# Altium PCB keyboard.PcbDoc (part 2 of 3)
Units mil, origin at the board's own origin, x right, y up, seen from the top; angles counter-clockwise.
Board outline 13687.52 x 5395.09 mil, 2 copper layers (Top Layer, Bottom Layer), stack 61.89 mil thick; 91 components, 118 nets, 875 pads, 1755 vias.
Unrouted connection lines stored in the file: 101.
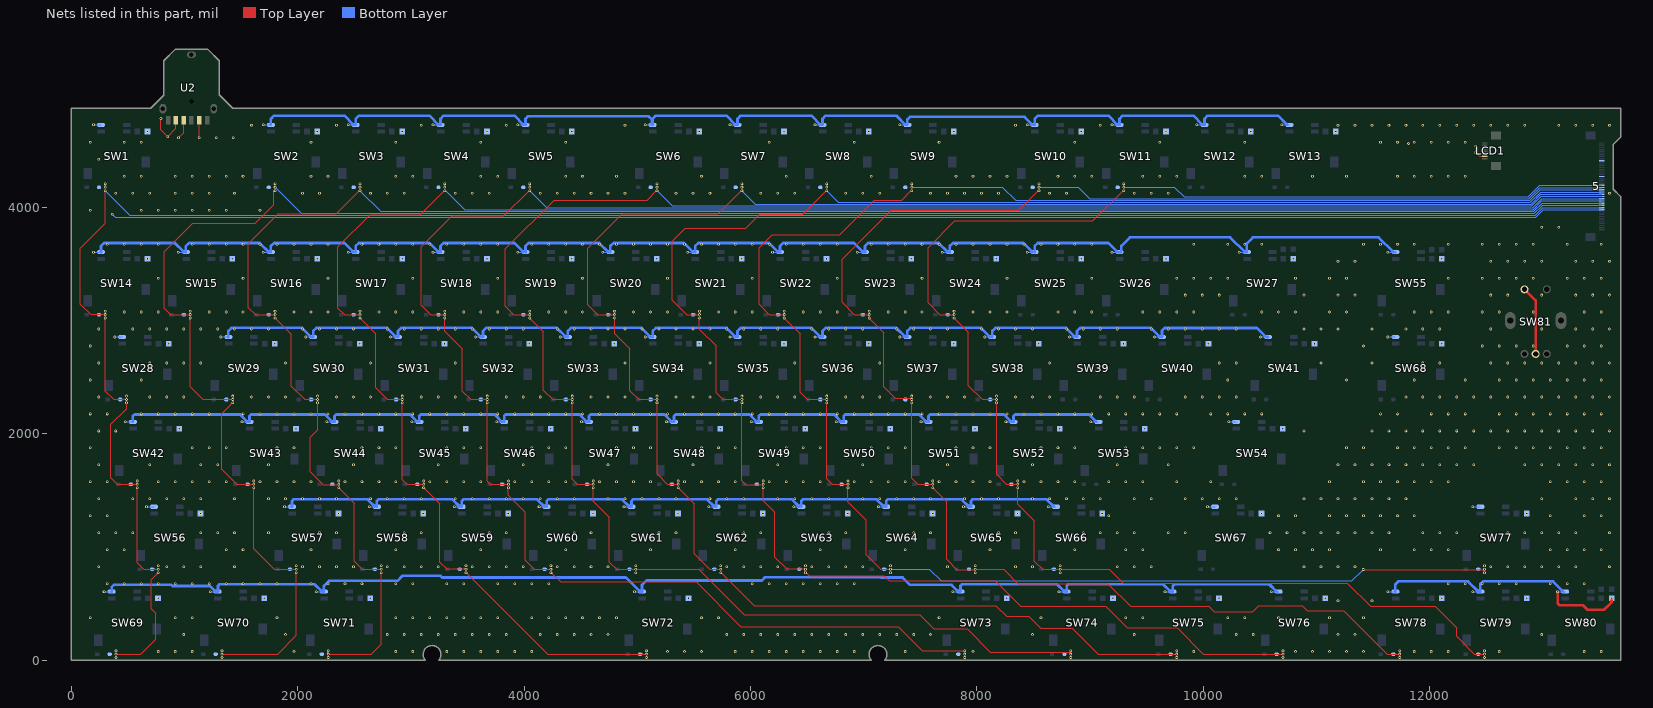
[diagram p2: the nets of this part, all layers, seen from the top]

## Via types
v1: diameter 24, hole 12, Top Layer to Bottom Layer, tented both sides, 1755 vias

## Nets (pads, with @x,y where several pads share a name; then routed paths per layer and width w, separated by ;. In a path a pad name is that pad's centre, name@x,y a point inside that pad or via, vN(x,y) a via of type N, cw(c..) or ccw(c..) an arc to the next point about the centre after c; other vN are vias at no path point) (continued)
GND: 5.10 5.25 5.32 LCD1.2 SW1.5 SW2.5 SW3.5 SW4.5 SW5.5 SW6.5 SW7.5 SW8.5 SW9.5 SW10.5 SW11.5 SW12.5 SW13.5 SW14.5 SW15.5 SW16.5 SW17.5 SW18.5 SW19.5 SW20.5 SW21.5 SW22.5 SW23.5 SW24.5 SW25.5 SW26.5 SW27.5 SW28.5 SW29.5 SW30.5 SW31.5 SW32.5 SW33.5 SW34.5 SW35.5 SW36.5 SW37.5 SW38.5 SW39.5 SW40.5 SW41.5 SW42.5 SW43.5 SW44.5 SW45.5 SW46.5 SW47.5 SW48.5 SW49.5 SW50.5 SW51.5 SW52.5 SW53.5 SW54.5 SW55.5 SW56.5 SW57.5 SW58.5 SW59.5 SW60.5 SW61.5 SW62.5 SW63.5 SW64.5 SW65.5 SW66.5 SW67.5 SW68.5 SW69.5 SW70.5 SW71.5 SW72.5 SW73.5 SW74.5 SW75.5 SW76.5 SW77.5 SW78.5 SW79.5 SW80.5 SW81.1 SW81.C U2.2 U2.4 U2.5 | length 77364.4
  Top Layer w6: v1(790,4785) 790,4685 v1(850,4625) ; v1@855,4630 922.21,4697.21 U2.5@922.21,4769.64 ; v1(945,4615) 991.1,4661.1 U2.4@991.1,4769.64 ; U2.2@1128.9,4769.64 1128.9,4616.1 v1(1130,4615) ; v1(12408.76,4540.01) v1(12408.76,4485.01) 12443.13,4450.64 LCD1.2@12487.95,4450.64
  Top Layer w24: SW81.1@12839.06,3275.62 12937.48,3177.2 SW81.C@12937.48,2704.76 ; v1(13131.73,604.58) 13133.76,602.56 13133.76,499.07 13147.82,485.01 13353.76,485.01 13393.76,445.01 13543.76,445.01 13608.76,510.01 v1(13608.76,544.9)
  Bottom Layer w6: v1(359.57,3939.2) 387.76,3911.01 12939.1,3911.01 13006.28,3978.2 5.10@13521.26,3978.2
  Bottom Layer w24: SW14.5@260.8,3604.56 260.8,3657.07 288.76,3685.03 912.61,3685.03 SW15.5@993.08,3604.56 ; SW69.5@354.55,604.58 354.55,645.8 373.76,665.01 881.28,665.01 891.92,654.38 1224.51,654.38 1274.3,604.58 SW70.5@1292.02,604.58 1293.76,606.32 1293.76,655.95 1307.82,670.01 2146.4,670.01 2211.83,604.58 SW71.5@2229.55,604.58 2229.55,655.8 2273.76,700.01 2878.76,700.01 2923.76,745.01 3258.76,745.01 3273.76,730.01 4898.88,730.01 5024.31,604.58 SW72.5@5042.02,604.58 5042.02,664.69 5081.04,703.7 6101.6,703.7 6129.95,732.05 7150.51,732.05 7152.81,729.75 7344.02,729.75 7408.76,665.01 7776.4,665.01 7835.09,606.32 7856.28,606.32 7856.28,655.95 7870.34,670.01 8708.93,670.01 SW74.5@8774.36,604.58 ; SW42.5@542.02,2104.56 542.02,2155.95 556.08,2170.01 1490.12,2170.01 1555.58,2104.56 SW43.5@1573.3,2104.56 1573.3,2155.95 1587.36,2170.01 2240.12,2170.01 SW44.5@2305.58,2104.56 ; SW15.5@1010.8,3604.56 1010.8,3657.07 1038.76,3685.03 1662.61,3685.03 SW16.5@1743.08,3604.56 ; SW29.5@1385.8,2854.56 1385.8,2907.07 1413.76,2935.03 2037.61,2935.03 SW30.5@2118.08,2854.56 ; SW16.5@1760.8,3604.56 1760.8,3657.07 1788.76,3685.03 2412.61,3685.03 SW17.5@2493.08,3604.56 ; SW2.5@1760.8,4729.54 1760.8,4782.05 1788.76,4810.01 2412.61,4810.01 2493.08,4729.54 SW3.5@2510.8,4729.54 2510.8,4782.05 2538.76,4810.01 3162.61,4810.01 SW4.5@3243.08,4729.54 ; SW57.5@1948.3,1354.56 1948.3,1405.95 1962.36,1420.01 2615.12,1420.01 SW58.5@2680.58,1354.56 ; SW30.5@2135.8,2854.56 2135.8,2907.07 2163.76,2935.03 2787.61,2935.03 SW31.5@2868.08,2854.56 ; SW44.5@2323.3,2104.56 2323.3,2155.95 2337.36,2170.01 2990.12,2170.01 SW45.5@3055.58,2104.56 ; SW17.5@2510.8,3604.56 2510.8,3657.07 2538.76,3685.03 3162.61,3685.03 SW18.5@3243.08,3604.56 ; SW58.5@2698.3,1354.56 2698.3,1405.95 2712.36,1420.01 3365.12,1420.01 SW59.5@3430.58,1354.56 ; SW31.5@2885.8,2854.56 2885.8,2907.07 2913.76,2935.03 3537.61,2935.03 SW32.5@3618.08,2854.56 ; SW45.5@3073.3,2104.56 3073.3,2155.95 3087.36,2170.01 3740.12,2170.01 SW46.5@3805.58,2104.56 ; SW18.5@3260.8,3604.56 3260.8,3657.07 3288.76,3685.03 3912.61,3685.03 SW19.5@3993.08,3604.56 ; SW4.5@3260.8,4729.54 3260.8,4782.05 3288.76,4810.01 3912.61,4810.01 SW5.5@3993.08,4729.54 ; SW59.5@3448.3,1354.56 3448.3,1405.95 3462.36,1420.01 4115.12,1420.01 SW60.5@4180.58,1354.56 ; SW32.5@3635.8,2854.56 3635.8,2907.07 3663.76,2935.03 4287.61,2935.03 SW33.5@4368.08,2854.56 ; SW46.5@3823.31,2104.56 3823.31,2155.95 3837.37,2170.01 4490.13,2170.01 SW47.5@4555.59,2104.56 ; SW19.5@4010.77,3604.56 4010.77,3657.07 4038.73,3685.03 4662.58,3685.03 SW20.5@4743.05,3604.56 ; SW5.5@4010.77,4729.54 4010.77,4782.02 4033.76,4805.01 5098.76,4805.01 5128.76,4775.01 5128.76,4735.26 SW6.5@5134.47,4729.54 ; SW60.5@4198.3,1354.56 4198.3,1405.95 4212.36,1420.01 4865.13,1420.01 SW61.5@4930.59,1354.56 ; SW33.5@4385.8,2854.56 4385.8,2907.07 4413.76,2935.03 5037.61,2935.03 SW34.5@5118.09,2854.56 ; SW47.5@4573.3,2104.56 4573.3,2155.95 4587.36,2170.01 5240.13,2170.01 SW48.5@5305.59,2104.56 ; SW20.5@4760.76,3604.56 4760.76,3657.07 4788.72,3685.03 5412.58,3685.03 SW21.5@5493.05,3604.56 ; SW61.5@4948.3,1354.56 4948.3,1405.95 4962.36,1420.01 5615.13,1420.01 SW62.5@5680.59,1354.56 ; SW34.5@5135.8,2854.56 5135.8,2907.07 5163.76,2935.03 5787.61,2935.03 SW35.5@5868.09,2854.56 ; SW6.5@5135.8,4729.54 SW6.5@5134.47,4729.54 ; SW48.5@5323.3,2104.56 5323.3,2155.95 5337.36,2170.01 5990.13,2170.01 SW49.5@6055.59,2104.56 ; SW21.5@5510.8,3604.56 5510.8,3657.07 5538.76,3685.03 6162.61,3685.03 SW22.5@6243.09,3604.56 ; SW62.5@5698.3,1354.56 5698.3,1405.95 5712.36,1420.01 6365.13,1420.01 SW63.5@6430.59,1354.56 ; SW7.5@5866.76,4729.54 5786.29,4810.01 5162.44,4810.01 5134.47,4782.05 SW6.5@5134.47,4729.54 ; SW35.5@5885.8,2854.56 5885.8,2907.07 5913.76,2935.03 6537.61,2935.03 SW36.5@6618.09,2854.56 ; SW7.5@5885.8,4729.54 5885.8,4782.05 5913.76,4810.01 6537.61,4810.01 SW8.5@6618.09,4729.54 ; SW49.5@6073.3,2104.56 6073.3,2155.95 6087.36,2170.01 6740.13,2170.01 SW50.5@6805.59,2104.56 ; SW22.5@6260.8,3604.56 6260.8,3657.07 6288.76,3685.03 6912.61,3685.03 SW23.5@6993.09,3604.56 ; SW63.5@6448.3,1354.56 6448.3,1405.95 6462.36,1420.01 7115.13,1420.01 SW64.5@7180.59,1354.56 ; SW36.5@6635.8,2854.56 6635.8,2907.07 6663.76,2935.03 7287.61,2935.03 SW37.5@7368.09,2854.56 ; SW8.5@6635.8,4729.54 6635.8,4782.05 6663.76,4810.01 7287.61,4810.01 SW9.5@7368.09,4729.54 ; SW50.5@6823.3,2104.56 6823.3,2155.95 6837.36,2170.01 7490.13,2170.01 SW51.5@7555.59,2104.56 ; SW23.5@7010.8,3604.56 7010.8,3657.07 7038.76,3685.03 7662.61,3685.03 SW24.5@7743.09,3604.56 ; SW64.5@7198.3,1354.56 7198.3,1405.95 7212.36,1420.01 7865.13,1420.01 SW65.5@7930.59,1354.56 ; SW37.5@7385.8,2854.56 7385.8,2907.07 7413.76,2935.03 8037.61,2935.03 SW38.5@8118.09,2854.56 ; SW9.5@7385.8,4729.54 7385.8,4777.06 7408.76,4800.01 8422.61,4800.01 8493.09,4729.54 SW10.5@8510.8,4729.54 8510.8,4782.05 8538.76,4810.01 9162.61,4810.01 SW11.5@9243.09,4729.54 ; SW51.5@7573.3,2104.56 7573.3,2155.95 7587.36,2170.01 8240.13,2170.01 SW52.5@8305.59,2104.56 ; SW24.5@7760.8,3604.56 7760.8,3657.07 7788.76,3685.03 8412.61,3685.03 SW25.5@8493.09,3604.56 ; SW65.5@7948.3,1354.56 7948.3,1405.95 7962.36,1420.01 8615.13,1420.01 SW66.5@8680.59,1354.56 ; SW38.5@8135.8,2854.56 8135.8,2907.07 8163.76,2935.03 8787.61,2935.03 SW39.5@8868.09,2854.56 ; SW52.5@8323.3,2104.56 8323.3,2155.95 8337.36,2170.01 8990.13,2170.01 SW53.5@9055.59,2104.56 ; SW25.5@8510.8,3604.56 8510.8,3657.07 8538.76,3685.03 9162.61,3685.03 SW26.5@9243.09,3604.56 ; SW74.5@8793.76,606.32 8793.76,655.95 8807.82,670.01 9646.41,670.01 SW75.5@9711.84,604.58 ; SW39.5@8885.8,2854.56 8885.8,2907.07 8913.76,2935.03 9537.61,2935.03 SW40.5@9618.09,2854.56 ; SW26.5@9260.8,3604.56 9271.3,3604.56 9277.02,3610.27 9277.02,3658.27 9353.76,3735.01 10237.63,3735.01 10368.09,3604.56 SW27.5@10368.76,3604.56 ; SW11.5@9260.8,4729.54 9260.8,4782.05 9288.76,4810.01 9912.61,4810.01 SW12.5@9993.09,4729.54 ; SW40.5@9635.8,2854.56 9635.8,2912.06 9658.76,2935.01 10475.13,2935.01 10555.59,2854.56 SW41.5@10573.3,2854.56 ; SW75.5@9731.28,606.32 9731.28,655.95 9745.34,670.01 10583.93,670.01 SW76.5@10649.36,604.58 ; SW12.5@10010.8,4729.54 10010.8,4782.05 10038.76,4810.01 10662.61,4810.01 SW13.5@10743.09,4729.54 ; SW27.5@10385.8,3604.56 10385.8,3682.06 10438.82,3735.07 11550.07,3735.07 11680.59,3604.56 SW55.5@11698.3,3604.56 ; SW78.5@11698.3,604.58 11698.3,669.56 11723.76,695.01 12340.16,695.01 12430.59,604.58 SW79.5@12448.3,604.58 12448.3,669.56 12473.76,695.01 13090.16,695.01 SW80.5@13180.59,604.58
  other v1: 766.26,74.85 916.26,74.85 1066.26,74.85 1966.26,74.85 2866.26,74.85 3016.26,74.85 3316.26,74.85 3466.26,74.85 3616.26,74.85 3766.26,74.85 3916.26,74.85 4066.26,74.85 5266.26,74.85 5416.26,74.85 5566.26,74.85 5866.26,74.85 6016.26,74.85 6166.26,74.85 6316.26,74.85 6466.26,74.85 6616.26,74.85 6766.26,74.85 6916.26,74.85 7366.26,74.85 7966.26,74.85 9916.26,74.85 10816.26,74.85 10966.26,74.85 11116.26,74.85 11266.26,74.85 11416.26,74.85 11866.26,74.85 12016.26,74.85 12166.26,74.85 12616.26,74.85 13366.26,74.85 13516.26,74.85 991.26,224.85 1891.26,224.85 2791.26,224.85 2941.26,224.85 3091.26,224.85 3241.26,224.85 3391.26,224.85 3541.26,224.85 3691.26,224.85 3841.26,224.85 4141.26,224.85 4291.26,224.85 4441.26,224.85 4591.26,224.85 4741.26,224.85 5791.26,224.85 5941.26,224.85 6091.26,224.85 6241.26,224.85 6391.26,224.85 6541.26,224.85 6691.26,224.85 6841.26,224.85 6991.26,224.85 7141.26,224.85 7291.26,224.85 7441.26,224.85 7591.26,224.85 8491.26,224.85 9391.26,224.85 10291.26,224.85 10441.26,224.85 11191.26,224.85 11341.26,224.85 12991.26,224.85 166.26,374.85 916.26,374.85 1066.26,374.85 1816.26,374.85 2866.26,374.85 3016.26,374.85 3166.26,374.85 3316.26,374.85 3466.26,374.85 3616.26,374.85 3766.26,374.85 4066.26,374.85 4216.26,374.85 4366.26,374.85 4516.26,374.85 4666.26,374.85 4816.26,374.85 5566.26,374.85 5716.26,374.85 7666.26,374.85 8566.26,374.85 9316.26,374.85 9466.26,374.85 10216.26,374.85 10366.26,374.85 10666.26,374.85 11116.26,374.85 11416.26,374.85 11191.26,524.85 11491.26,524.85 765.01,544.9 1702.48,544.9 2640.01,544.9 5452.48,544.9 8265,544.9 9202.48,544.9 10140,544.9 11077.48,544.9 12108.76,544.9 12858.76,544.9 287.98,604.58 1225.45,604.58 2162.98,604.58 4975.45,604.58 7787.97,604.58 8725.45,604.58 9662.97,604.58 10600.45,604.58 11631.73,604.58 12381.73,604.58 316.26,674.85 466.26,674.85 616.26,674.85 766.26,674.85 916.26,674.85 1066.26,674.85 1216.26,674.85 1366.26,674.85 1516.26,674.85 1666.26,674.85 1816.26,674.85 2116.26,674.85 2266.26,674.85 2416.26,674.85 2566.26,674.85 2866.26,674.85 3016.26,674.85 3316.26,674.85 3466.26,674.85 3766.26,674.85 3916.26,674.85 4066.26,674.85 4216.26,674.85 6016.26,674.85 6166.26,674.85 6316.26,674.85 6466.26,674.85 6616.26,674.85 6766.26,674.85 6916.26,674.85 12166.26,674.85 12316.26,674.85 12466.26,674.85 12616.26,674.85 12766.26,674.85 13066.26,674.85 13216.26,674.85 13366.26,674.85 241.26,824.85 841.26,824.85 991.26,824.85 1141.26,824.85 1441.26,824.85 2041.26,824.85 2191.26,824.85 2341.26,824.85 2491.26,824.85 2791.26,824.85 2941.26,824.85 3091.26,824.85 3241.26,824.85 3541.26,824.85 3691.26,824.85 3841.26,824.85 3991.26,824.85 4291.26,824.85 4441.26,824.85 4591.26,824.85 4741.26,824.85 5791.26,824.85 5941.26,824.85 6091.26,824.85 6241.26,824.85 6541.26,824.85 6691.26,824.85 6841.26,824.85 6991.26,824.85 7741.26,824.85 8341.26,824.85 8491.26,824.85 9241.26,824.85 9391.26,824.85 9541.26,824.85 10891.26,824.85 11041.26,824.85 11191.26,824.85 11341.26,824.85 12541.26,824.85 12691.26,824.85 12841.26,824.85 12991.26,824.85 13141.26,824.85 13291.26,824.85 13591.26,824.85 316.26,974.85 466.26,974.85 1366.26,974.85 1516.26,974.85 2116.26,974.85 2866.26,974.85 3616.26,974.85 4366.26,974.85 5116.26,974.85 5866.26,974.85 6616.26,974.85 7366.26,974.85 8116.26,974.85 8866.26,974.85 9316.26,974.85 9466.26,974.85 10666.26,974.85 10816.26,974.85 10966.26,974.85 11116.26,974.85 11566.26,974.85 11866.26,974.85 12016.26,974.85 12166.26,974.85 13066.26,974.85 13216.26,974.85 13366.26,974.85 13516.26,974.85 241.26,1124.85 391.26,1124.85 541.26,1124.85 1141.26,1124.85 1291.26,1124.85 1441.26,1124.85 1741.26,1124.85 2191.26,1124.85 2341.26,1124.85 2941.26,1124.85 3091.26,1124.85 3691.26,1124.85 3841.26,1124.85 4441.26,1124.85 4591.26,1124.85 5191.26,1124.85 5341.26,1124.85 5941.26,1124.85 6091.26,1124.85 6691.26,1124.85 6841.26,1124.85 7441.26,1124.85 7591.26,1124.85 8191.26,1124.85 8341.26,1124.85 8941.26,1124.85 9091.26,1124.85 9241.26,1124.85 9391.26,1124.85 9691.26,1124.85 9841.26,1124.85 10591.26,1124.85 10741.26,1124.85 10891.26,1124.85 11041.26,1124.85 11191.26,1124.85 11341.26,1124.85 11491.26,1124.85 11641.26,1124.85 11941.26,1124.85 12091.26,1124.85 12241.26,1124.85 12691.26,1124.85 12841.26,1124.85 12991.26,1124.85 13141.26,1124.85 13291.26,1124.85 13591.26,1124.85 166.26,1274.85 316.26,1274.85 9166.26,1274.85 10666.26,1274.85 10816.26,1274.85 11116.26,1274.85 11266.26,1274.85 11416.26,1274.85 11566.26,1274.85 11716.26,1274.85 11866.26,1274.85 13066.26,1274.85 13366.26,1274.85 13516.26,1274.85 1140.01,1294.87 2358.75,1294.87 3108.75,1294.87 3858.75,1294.87 4608.76,1294.87 5358.76,1294.87 6108.76,1294.87 6858.76,1294.87 7608.76,1294.87 8358.76,1294.87 9108.76,1294.87 10514.98,1294.87 12858.76,1294.87 662.98,1354.56 1881.73,1354.56 2631.73,1354.56 3381.73,1354.56 4131.73,1354.56 4881.73,1354.56 5631.73,1354.56 6381.73,1354.56 7131.73,1354.56 7881.73,1354.56 8631.73,1354.56 10037.95,1354.56 12381.73,1354.56 241.26,1424.85 541.26,1424.85 691.26,1424.85 841.26,1424.85 991.26,1424.85 1141.26,1424.85 1441.26,1424.85 1741.26,1424.85 1891.26,1424.85 2041.26,1424.85 2191.26,1424.85 2341.26,1424.85 2641.26,1424.85 2791.26,1424.85 2941.26,1424.85 3091.26,1424.85 3391.26,1424.85 3541.26,1424.85 3691.26,1424.85 3841.26,1424.85 3991.26,1424.85 4141.26,1424.85 4291.26,1424.85 4441.26,1424.85 4741.26,1424.85 4891.26,1424.85 5041.26,1424.85 5191.26,1424.85 5341.26,1424.85 5641.26,1424.85 5791.26,1424.85 5941.26,1424.85 6241.26,1424.85 6391.26,1424.85 6541.26,1424.85 6691.26,1424.85 6991.26,1424.85 7141.26,1424.85 7291.26,1424.85 7441.26,1424.85 7591.26,1424.85 7891.26,1424.85 8041.26,1424.85 8191.26,1424.85 8491.26,1424.85 8641.26,1424.85 8791.26,1424.85 8941.26,1424.85 9091.26,1424.85 9391.26,1424.85 9541.26,1424.85 9841.26,1424.85 9991.26,1424.85 10141.26,1424.85 10291.26,1424.85 10891.26,1424.85 11041.26,1424.85 11191.26,1424.85 11341.26,1424.85 11491.26,1424.85 11641.26,1424.85 11791.26,1424.85 12991.26,1424.85 13291.26,1424.85 13441.26,1424.85 13591.26,1424.85 166.26,1574.85 316.26,1574.85 766.26,1574.85 916.26,1574.85 1066.26,1574.85 1216.26,1574.85 1366.26,1574.85 1666.26,1574.85 1816.26,1574.85 1966.26,1574.85 2116.26,1574.85 2416.26,1574.85 2566.26,1574.85 2716.26,1574.85 2866.26,1574.85 3166.26,1574.85 3316.26,1574.85 3466.26,1574.85 3616.26,1574.85 3916.26,1574.85 4066.26,1574.85 4216.26,1574.85 4366.26,1574.85 4666.26,1574.85 4816.26,1574.85 4966.26,1574.85 5116.26,1574.85 5416.26,1574.85 5566.26,1574.85 5716.26,1574.85 5866.26,1574.85 6166.26,1574.85 6316.26,1574.85 6466.26,1574.85 6616.26,1574.85 6916.26,1574.85 7066.26,1574.85 7216.26,1574.85 7366.26,1574.85 7666.26,1574.85 7816.26,1574.85 7966.26,1574.85 8116.26,1574.85 8416.26,1574.85 8566.26,1574.85 8716.26,1574.85 8866.26,1574.85 9166.26,1574.85 9316.26,1574.85 9466.26,1574.85 9766.26,1574.85 10066.26,1574.85 11116.26,1574.85 11416.26,1574.85 11566.26,1574.85 11716.26,1574.85 11866.26,1574.85 12016.26,1574.85 12166.26,1574.85 13066.26,1574.85 13216.26,1574.85 13366.26,1574.85 13516.26,1574.85 241.26,1724.85 691.26,1724.85 1141.26,1724.85 1291.26,1724.85 1741.26,1724.85 2491.26,1724.85 3241.26,1724.85 3991.26,1724.85 4741.26,1724.85 5491.26,1724.85 6241.26,1724.85 6991.26,1724.85 7741.26,1724.85 8491.26,1724.85 9241.26,1724.85 9691.26,1724.85 11191.26,1724.85 11341.26,1724.85 11491.26,1724.85 11641.26,1724.85 11791.26,1724.85 11941.26,1724.85 12091.26,1724.85 12241.26,1724.85 12391.26,1724.85 12841.26,1724.85 12991.26,1724.85 13141.26,1724.85 13291.26,1724.85 13441.26,1724.85 13591.26,1724.85 166.26,1874.85 1066.26,1874.85 1216.26,1874.85 1366.26,1874.85 1816.26,1874.85 1966.26,1874.85 2566.26,1874.85 2716.26,1874.85 2866.26,1874.85 3316.26,1874.85 3466.26,1874.85 3616.26,1874.85 4066.26,1874.85 4216.26,1874.85 4366.26,1874.85 4816.26,1874.85 4966.26,1874.85 5116.26,1874.85 5566.26,1874.85 5716.26,1874.85 5866.26,1874.85 6316.26,1874.85 6466.26,1874.85 6616.26,1874.85 7066.26,1874.85 7216.26,1874.85 7366.26,1874.85 7816.26,1874.85 7966.26,1874.85 8116.26,1874.85 8566.26,1874.85 8716.26,1874.85 8866.26,1874.85 9316.26,1874.85 9466.26,1874.85 9616.26,1874.85 9766.26,1874.85 9916.26,1874.85 11266.26,1874.85 11416.26,1874.85 11716.26,1874.85 11866.26,1874.85 12016.26,1874.85 12166.26,1874.85 12316.26,1874.85 12616.26,1874.85 12766.26,1874.85 12916.26,1874.85 13066.26,1874.85 13216.26,1874.85 13366.26,1874.85 13516.26,1874.85 241.26,2024.85 391.26,2024.85 10891.26,2024.85 11491.26,2024.85 11641.26,2024.85 11791.26,2024.85 11941.26,2024.85 12091.26,2024.85 12241.26,2024.85 12391.26,2024.85 12541.26,2024.85 12691.26,2024.85 12841.26,2024.85 12991.26,2024.85 13141.26,2024.85 13291.26,2024.85 13441.26,2024.85 13591.26,2024.85 952.48,2044.87 1983.75,2044.87 2733.75,2044.87 3483.75,2044.87 4233.76,2044.87 4983.76,2044.87 5733.76,2044.87 6483.76,2044.87 7233.76,2044.87 7983.76,2044.87 8733.76,2044.87 9483.76,2044.87 10702.48,2044.87 475.45,2104.56 1506.73,2104.56 2256.73,2104.56 3006.73,2104.56 3756.74,2104.56 4506.73,2104.56 5256.73,2104.56 6006.73,2104.56 6756.73,2104.56 7506.73,2104.56 8256.73,2104.56 9006.73,2104.56 10225.45,2104.56 166.26,2174.85 316.26,2174.85 616.26,2174.85 766.26,2174.85 916.26,2174.85 1066.26,2174.85 1216.26,2174.85 1516.26,2174.85 1666.26,2174.85 1816.26,2174.85 1966.26,2174.85 2116.26,2174.85 2266.26,2174.85 2416.26,2174.85 2566.26,2174.85 2716.26,2174.85 2866.26,2174.85 3016.26,2174.85 3166.26,2174.85 3316.26,2174.85 3466.26,2174.85 3616.26,2174.85 3766.26,2174.85 3916.26,2174.85 4066.26,2174.85 4216.26,2174.85 4366.26,2174.85 4516.26,2174.85 4666.26,2174.85 4816.26,2174.85 4966.26,2174.85 5116.26,2174.85 5266.26,2174.85 5416.26,2174.85 5566.26,2174.85 5716.26,2174.85 5866.26,2174.85 6016.26,2174.85 6166.26,2174.85 6316.26,2174.85 6466.26,2174.85 6616.26,2174.85 6766.26,2174.85 6916.26,2174.85 7066.26,2174.85 7216.26,2174.85 7366.26,2174.85 7516.26,2174.85 7666.26,2174.85 7816.26,2174.85 7966.26,2174.85 8116.26,2174.85 8266.26,2174.85 8416.26,2174.85 8566.26,2174.85 8716.26,2174.85 8866.26,2174.85 9016.26,2174.85 9166.26,2174.85 9316.26,2174.85 9466.26,2174.85 9616.26,2174.85 9766.26,2174.85 10066.26,2174.85 10216.26,2174.85 10366.26,2174.85 10516.26,2174.85 11566.26,2174.85 11716.26,2174.85 12016.26,2174.85 12166.26,2174.85 12316.26,2174.85 12616.26,2174.85 12766.26,2174.85 12916.26,2174.85 13066.26,2174.85 13216.26,2174.85 13366.26,2174.85 13516.26,2174.85 241.26,2324.85 691.26,2324.85 841.26,2324.85 991.26,2324.85 1591.26,2324.85 1741.26,2324.85 1891.26,2324.85 2341.26,2324.85 2491.26,2324.85 2641.26,2324.85 3091.26,2324.85 3241.26,2324.85 3391.26,2324.85 3841.26,2324.85 3991.26,2324.85 4141.26,2324.85 4591.26,2324.85 4741.26,2324.85 4891.26,2324.85 5341.26,2324.85 5491.26,2324.85 5641.26,2324.85 6091.26,2324.85 6241.26,2324.85 6391.26,2324.85 6841.26,2324.85 6991.26,2324.85 7141.26,2324.85 7591.26,2324.85 7741.26,2324.85 7891.26,2324.85 8341.26,2324.85 8491.26,2324.85 8641.26,2324.85 9091.26,2324.85 9241.26,2324.85 9391.26,2324.85 9841.26,2324.85 9991.26,2324.85 10141.26,2324.85 10291.26,2324.85 11791.26,2324.85 11941.26,2324.85 12091.26,2324.85 12241.26,2324.85 12391.26,2324.85 12541.26,2324.85 12691.26,2324.85 12841.26,2324.85 12991.26,2324.85 13141.26,2324.85 13291.26,2324.85 13441.26,2324.85 13591.26,2324.85 166.26,2474.85 616.26,2474.85 10216.26,2474.85 11266.26,2474.85 11866.26,2474.85 12316.26,2474.85 12616.26,2474.85 12766.26,2474.85 12916.26,2474.85 13066.26,2474.85 13216.26,2474.85 13366.26,2474.85 13516.26,2474.85 241.26,2624.85 691.26,2624.85 841.26,2624.85 991.26,2624.85 1141.26,2624.85 1891.26,2624.85 2641.26,2624.85 3391.26,2624.85 4891.26,2624.85 5641.26,2624.85 6391.26,2624.85 7141.26,2624.85 8641.26,2624.85 10141.26,2624.85 10291.26,2624.85 11041.26,2624.85 11491.26,2624.85 11941.26,2624.85 12091.26,2624.85 12541.26,2624.85 12691.26,2624.85 12841.26,2624.85 12991.26,2624.85 13141.26,2624.85 13291.26,2624.85 13441.26,2624.85 13591.26,2624.85 166.26,2774.85 11416.26,2774.85 12466.26,2774.85 12616.26,2774.85 12766.26,2774.85 12916.26,2774.85 13216.26,2774.85 13366.26,2774.85 13516.26,2774.85 858.76,2794.87 1796.25,2794.87 2546.25,2794.87 3296.25,2794.87 4046.25,2794.87 4796.26,2794.87 5546.26,2794.87 6296.26,2794.87 7046.26,2794.87 7796.26,2794.87 8546.26,2794.87 9296.26,2794.87 10046.26,2794.87 10983.76,2794.87 12108.76,2794.87 381.73,2854.56 1319.23,2854.56 2069.23,2854.56 2819.23,2854.56 3569.23,2854.56 4319.23,2854.56 5069.23,2854.56 5819.23,2854.56 6569.23,2854.56 7319.23,2854.56 8069.23,2854.56 8819.23,2854.56 9569.23,2854.56 10506.73,2854.56 11631.73,2854.56 241.26,2924.85 541.26,2924.85 691.26,2924.85 841.26,2924.85 991.26,2924.85 1141.26,2924.85 1291.26,2924.85 1441.26,2924.85 1591.26,2924.85 1741.26,2924.85 2041.26,2924.85 2191.26,2924.85 2341.26,2924.85 2491.26,2924.85 2791.26,2924.85 2941.26,2924.85 3091.26,2924.85 3241.26,2924.85 3391.26,2924.85 3541.26,2924.85 3691.26,2924.85 3841.26,2924.85 3991.26,2924.85 4291.26,2924.85 4441.26,2924.85 4591.26,2924.85 4741.26,2924.85 4891.26,2924.85 5041.26,2924.85 5191.26,2924.85 5341.26,2924.85 5491.26,2924.85 5641.26,2924.85 5791.26,2924.85 5941.26,2924.85 6091.26,2924.85 6241.26,2924.85 6541.26,2924.85 6691.26,2924.85 6841.26,2924.85 6991.26,2924.85 7291.26,2924.85 7441.26,2924.85 7591.26,2924.85 7741.26,2924.85 8041.26,2924.85 8191.26,2924.85 8341.26,2924.85 8491.26,2924.85 8791.26,2924.85 8941.26,2924.85 9091.26,2924.85 9241.26,2924.85 9541.26,2924.85 9691.26,2924.85 9841.26,2924.85 9991.26,2924.85 10141.26,2924.85 10291.26,2924.85 10891.26,2924.85 11041.26,2924.85 11191.26,2924.85 11491.26,2924.85 11791.26,2924.85 11941.26,2924.85 12091.26,2924.85 12541.26,2924.85 12991.26,2924.85 13291.26,2924.85 13441.26,2924.85 13591.26,2924.85 466.26,3074.85 616.26,3074.85 766.26,3074.85 1216.26,3074.85 1366.26,3074.85 1516.26,3074.85 1966.26,3074.85 2116.26,3074.85 2266.26,3074.85 2716.26,3074.85 2866.26,3074.85 3016.26,3074.85 3466.26,3074.85 3616.26,3074.85 3766.26,3074.85 4216.26,3074.85 4366.26,3074.85 4516.26,3074.85 4966.26,3074.85 5116.26,3074.85 5266.26,3074.85 5716.26,3074.85 5866.26,3074.85 6016.26,3074.85 6466.26,3074.85 6616.26,3074.85 6766.26,3074.85 7216.26,3074.85 7366.26,3074.85 7516.26,3074.85 7966.26,3074.85 8116.26,3074.85 8266.26,3074.85 8716.26,3074.85 8866.26,3074.85 9016.26,3074.85 9466.26,3074.85 9616.26,3074.85 9766.26,3074.85 9916.26,3074.85 10516.26,3074.85 10666.26,3074.85 10816.26,3074.85 11116.26,3074.85 11266.26,3074.85 11866.26,3074.85 12016.26,3074.85 12166.26,3074.85 12466.26,3074.85 12616.26,3074.85 12916.26,3074.85 13366.26,3074.85 13516.26,3074.85 9841.26,3224.85 9991.26,3224.85 10141.26,3224.85 10891.26,3224.85 11191.26,3224.85 11341.26,3224.85 12541.26,3224.85 12691.26,3224.85 12991.26,3224.85 13291.26,3224.85 13441.26,3224.85 13591.26,3224.85 766.26,3374.85 1516.26,3374.85 2266.26,3374.85 3016.26,3374.85 3766.26,3374.85 4516.26,3374.85 5266.26,3374.85 6016.26,3374.85 6766.26,3374.85 7516.26,3374.85 8266.26,3374.85 9016.26,3374.85 9766.26,3374.85 9916.26,3374.85 10066.26,3374.85 10216.26,3374.85 10816.26,3374.85 11116.26,3374.85 11266.26,3374.85 12166.26,3374.85 12466.26,3374.85 12616.26,3374.85 12766.26,3374.85 12916.26,3374.85 13216.26,3374.85 13366.26,3374.85 13516.26,3374.85 11191.26,3524.85 11341.26,3524.85 12541.26,3524.85 12691.26,3524.85 12841.26,3524.85 12991.26,3524.85 13291.26,3524.85 13441.26,3524.85 13591.26,3524.85 671.26,3544.87 1421.25,3544.87 2171.25,3544.87 2921.25,3544.87 3671.25,3544.87 4421.23,3544.87 5171.22,3544.87 5921.26,3544.87 6671.26,3544.87 7421.26,3544.87 8171.26,3544.87 8921.26,3544.87 9671.26,3544.87 10796.26,3544.87 12108.76,3544.87 194.23,3604.56 944.23,3604.56 1694.23,3604.56 2444.23,3604.56 3194.23,3604.56 3944.2,3604.56 4694.19,3604.56 5444.23,3604.56 6194.23,3604.56 6944.23,3604.56 7694.23,3604.56 8444.23,3604.56 9194.23,3604.56 10319.23,3604.56 11631.73,3604.56 316.26,3674.85 466.26,3674.85 616.26,3674.85 766.26,3674.85 1066.26,3674.85 1216.26,3674.85 1366.26,3674.85 1516.26,3674.85 1666.26,3674.85 1816.26,3674.85 1966.26,3674.85 2116.26,3674.85 2266.26,3674.85 2566.26,3674.85 2716.26,3674.85 2866.26,3674.85 3016.26,3674.85 3166.26,3674.85 3316.26,3674.85 3466.26,3674.85 3616.26,3674.85 3766.26,3674.85 4066.26,3674.85 4216.26,3674.85 4366.26,3674.85 4516.26,3674.85 4666.26,3674.85 4816.26,3674.85 4966.26,3674.85 5116.26,3674.85 5266.26,3674.85 5416.26,3674.85 5566.26,3674.85 5716.26,3674.85 5866.26,3674.85 6016.26,3674.85 6166.26,3674.85 6316.26,3674.85 6466.26,3674.85 6616.26,3674.85 6766.26,3674.85 7066.26,3674.85 7216.26,3674.85 7366.26,3674.85 7516.26,3674.85 7666.26,3674.85 7816.26,3674.85 7966.26,3674.85 8116.26,3674.85 8266.26,3674.85 8416.26,3674.85 8566.26,3674.85 8716.26,3674.85 8866.26,3674.85 9016.26,3674.85 9916.26,3674.85 10216.26,3674.85 10366.26,3674.85 10516.26,3674.85 11416.26,3674.85 11566.26,3674.85 11716.26,3674.85 11866.26,3674.85 12166.26,3674.85 12466.26,3674.85 12616.26,3674.85 12766.26,3674.85 12916.26,3674.85 13216.26,3674.85 13516.26,3674.85 12991.26,3824.85 13141.26,3824.85 166.26,3974.85 616.26,3974.85 766.26,3974.85 916.26,3974.85 1066.26,3974.85 1216.26,3974.85 1366.26,3974.85 1666.26,3974.85 391.26,4124.85 541.26,4124.85 691.26,4124.85 916.26,4124.85 1066.26,4124.85 1216.26,4124.85 1441.26,4124.85 2041.26,4124.85 2191.26,4124.85 2641.26,4124.85 2791.26,4124.85 2941.26,4124.85 3391.26,4124.85 3541.26,4124.85 3691.26,4124.85 4141.26,4124.85 4291.26,4124.85 4441.26,4124.85 4591.26,4124.85 4741.26,4124.85 4891.26,4124.85 5341.26,4124.85 5491.26,4124.85 5641.26,4124.85 6091.26,4124.85 6241.26,4124.85 6391.26,4124.85 6841.26,4124.85 6991.26,4124.85 7141.26,4124.85 7591.26,4124.85 7741.26,4124.85 7891.26,4124.85 8041.26,4124.85 8191.26,4124.85 8641.26,4124.85 8791.26,4124.85 9391.26,4124.85 9541.26,4124.85 9691.26,4124.85 13591.26,4124.85 466.26,4274.85 616.26,4274.85 916.26,4274.85 1066.26,4274.85 1216.26,4274.85 1366.26,4274.85 1516.26,4274.85 2116.26,4274.85 2266.26,4274.85 2866.26,4274.85 3016.26,4274.85 3616.26,4274.85 3766.26,4274.85 4366.26,4274.85 4516.26,4274.85 4816.26,4274.85 5566.26,4274.85 6316.26,4274.85 7066.26,4274.85 7816.26,4274.85 7966.26,4274.85 8116.26,4274.85 8266.26,4274.85 8716.26,4274.85 8866.26,4274.85 9016.26,4274.85 9466.26,4274.85 9616.26,4274.85 9766.26,4274.85 10366.26,4274.85 10516.26,4274.85 10966.26,4274.85 11266.26,4274.85 11716.26,4274.85 11866.26,4274.85 12016.26,4274.85 12166.26,4274.85 12316.26,4274.85 241.26,4424.85 11815,4565 166.26,4574.85 466.26,4574.85 616.26,4574.85 2116.26,4574.85 2866.26,4574.85 3616.26,4574.85 4366.26,4574.85 6166.26,4574.85 6916.26,4574.85 7666.26,4574.85 8866.26,4574.85 9616.26,4574.85 10366.26,4574.85 11566.26,4574.85 11716.26,4574.85 11866.26,4574.85 12016.26,4574.85 12166.26,4574.85 12316.26,4574.85 1280,4615 1430,4615 671.26,4669.85 2171.25,4669.85 2921.25,4669.85 3671.25,4669.85 4421.23,4669.85 5546.26,4669.85 6296.26,4669.85 7046.26,4669.85 7796.26,4669.85 8921.26,4669.85 9671.26,4669.85 10421.26,4669.85 11171.26,4669.85 1591.26,4724.85 2341.26,4724.85 3091.26,4724.85 3841.26,4724.85 4891.26,4724.85 8341.26,4724.85 9091.26,4724.85 11191.26,4724.85 11341.26,4724.85 11491.26,4724.85 11641.26,4724.85 11791.26,4724.85 11941.26,4724.85 12091.26,4724.85 12241.26,4724.85 12391.26,4724.85 12541.26,4724.85 12691.26,4724.85 12841.26,4724.85 13141.26,4724.85 13291.26,4724.85 13441.26,4724.85 13591.26,4724.85 194.23,4729.54 1694.23,4729.54 2444.23,4729.54 3194.23,4729.54 3944.2,4729.54 5069.23,4729.54 5819.23,4729.54 6569.23,4729.54 7319.23,4729.54 8444.23,4729.54 9194.23,4729.54 9944.23,4729.54 10694.23,4729.54
KEY_POS1: 5.11 SW1.2 SW14.2 SW28.2 SW42.2 SW56.2 SW69.2 | length 18447.1
  Top Layer w10: v1(298.86,3022.47) 298.86,2374.91 371.32,2302.45 v1(486.38,2302.45) ; v1(298.88,3052.45) 296.32,3055.01 168.76,3055.01 78.76,3145.01 78.76,3640.01 298.86,3860.11 v1(298.86,4147.45) ; v1(392.63,52.48) 611.22,52.48 743.76,185.01 743.76,415.01 703.76,455.01 703.76,708.62 756.5,761.36 756.5,767.45 761.52,772.47 v1(767.61,772.47) ; v1(486.36,2272.47) 486.36,2222.61 348.76,2085.01 348.76,1610.01 406.32,1552.45 v1(580.1,1552.45) ; v1(580.08,1522.47) 580.08,858.69 636.32,802.45 v1(767.63,802.45)
  Bottom Layer w6: v1(298.86,4147.45) 516.3,3930.01 12933.76,3930.01 13001.63,3997.89 5.11@13521.26,3997.89
  other v1: 392.61,22.49 392.63,82.48 767.63,832.45 580.1,1582.45 486.38,2332.45 298.88,3082.45 298.88,4177.44 298.88,4207.44
KEY_POS2: 5.12 SW2.2 SW15.2 SW29.2 SW43.2 SW57.2 SW70.2 | length 18140.1
  Top Layer w10: v1(1048.86,3022.47) 1048.86,2414.91 1161.32,2302.45 v1(1423.87,2302.45) ; v1(1048.87,3052.45) 876.32,3052.45 818.76,3110.01 818.76,3608.76 1070,3860 1625,3860 1787.75,4022.75 1787.75,4142.43 1792.77,4147.45 v1(1798.86,4147.45) ; v1(1330.1,52.48) 1821.22,52.48 1986.36,217.61 v1(1986.36,772.47) ; v1(1423.86,2272.47) 1417.77,2272.47 1412.75,2267.45 1412.75,2261.36 1328.76,2177.37 1328.76,1685.01 1461.32,1552.45 v1(1611.37,1552.45) ; v1(1611.36,1522.47) 1611.36,982.41 1791.32,802.45 v1(1986.37,802.45)
  Bottom Layer w6: v1(1798.87,4177.44) 2030.3,3946.01 12927.13,3946.01 12998.69,4017.57 5.12@13521.26,4017.57
  other v1: 1330.08,22.49 1330.1,82.48 1986.37,832.45 1611.37,1582.45 1423.87,2332.45 1048.87,3082.45 1798.87,4207.44
KEY_POS3: 5.13 SW3.2 SW16.2 SW30.2 SW44.2 SW58.2 SW71.2 | length 17113.7
  Top Layer w10: v1(1798.86,3022.47) 1803.57,3022.47 1808.59,3017.45 1808.59,3012.73 1943.76,2877.57 1943.76,2420.01 2061.32,2302.45 v1(2173.87,2302.45) ; v1(1798.87,3052.45) 1626.32,3052.45 1563.76,3115.01 1563.76,3680.01 1828.76,3945.01 2340.33,3945.01 2542.77,4147.45 v1(2548.86,4147.45) ; v1(2173.86,2272.47) 2173.86,2035.11 2108.76,1970.01 2108.76,1665.01 2223.76,1550.01 2355.69,1550.01 2363.76,1541.94 2363.76,1540.01 ; v1@2266.92,53.42 v1@2267.63,52.72 ; v1(2267.63,52.48) v1@2267.63,52.72 ; v1@2273.72,76.39 2267.63,70.29 v1@2267.63,52.72 ; v1(2361.36,1522.47) 2366.07,1522.47 2371.09,1517.45 2371.09,1512.73 2498.76,1385.07 2498.76,873.98 2570.28,802.45 v1(2736.37,802.45) ; v1(2736.36,772.47) 2736.36,137.61 2648.76,50.01 2270.33,50.01 v1@2267.63,52.72
  Bottom Layer w6: v1(2548.86,4147.45) 2732.3,3964.01 12922.5,3964.01 12995.75,4037.26 5.13@13521.26,4037.26
  other v1: 2267.61,22.49 2267.63,82.48 2736.37,832.45 2361.37,1552.45 2361.37,1582.45 2173.87,2332.45 1798.87,3082.45 2548.87,4177.44 2548.87,4207.44
KEY_POS4: 5.14 SW4.2 SW17.2 SW31.2 SW45.2 SW59.2 SW72.2 | length 16956.2
  Top Layer w10: v1@2548.17,3053.4 2544.79,3050.01 2413.76,3050.01 2353.76,3110.01 2353.76,3650.01 2638.76,3935.01 3080.33,3935.01 3292.77,4147.45 v1(3298.86,4147.45) ; v1(2548.86,3022.47) 2553.57,3022.47 2558.59,3017.45 2558.59,3012.73 2688.76,2882.57 2688.76,2405.01 2791.32,2302.45 v1(2923.87,2302.45) ; v1@2548.87,3045.01 2558.76,3045.01 ; v1(2923.86,2272.47) 2923.86,1594.91 2966.32,1552.45 v1(3111.37,1552.45) ; v1(3111.36,1522.47) 3116.07,1522.47 3121.09,1517.45 3121.09,1512.73 3253.76,1380.07 3253.76,865.01 3313.76,805.01 3483.81,805.01 v1(3486.37,802.45) ; v1(3486.36,772.47) 3491.07,772.47 3496.09,767.45 3496.09,762.73 4206.35,52.48 v1(5080.1,52.48)
  Bottom Layer w6: v1(3298.86,4147.45) 3306.32,4147.45 3473.76,3980.01 12915.88,3980.01 12992.81,4056.94 5.14@13521.26,4056.94
  other v1: 5080.08,22.49 5080.1,82.48 3486.37,832.45 3111.37,1582.45 2923.87,2332.45 2548.87,3052.45 2548.87,3082.45 3298.87,4177.44 3298.87,4207.44
KEY_POS5: 5.15 SW5.2 SW18.2 SW32.2 SW46.2 SW60.2 SW73.2 | length 18251.1
  Top Layer w10: v1(3298.86,3022.47) 3298.86,2904.91 3453.76,2750.01 3453.76,2375.01 3526.32,2302.45 v1(3673.87,2302.45) ; v1(3298.87,3052.45) 3172.53,3052.45 3088.76,3136.22 3088.76,3650.01 3363.76,3925.01 3820.3,3925.01 4042.74,4147.45 v1(4048.83,4147.45) ; v1(3673.86,2272.47) 3673.86,1579.91 3701.32,1552.45 v1(3861.38,1552.45) ; v1(3861.37,1522.47) 3861.37,1457.4 4011.66,1307.11 4011.66,880.47 4089.68,802.45 v1(4236.38,802.45) ; v1(4236.36,772.47) 4241.08,772.47 4323.53,690.01 5518.76,690.01 5913.76,295.01 7303.76,295.01 7518.76,80.01 7890.15,80.01 v1(7892.62,82.48)
  Bottom Layer w6: v1(4048.83,4147.45) 4199.27,3997.01 12910.25,3997.01 12989.86,4076.63 5.15@13521.26,4076.63
  other v1: 7892.6,22.49 7892.62,52.48 4236.38,832.45 3861.38,1582.45 3673.87,2332.45 3298.87,3082.45 4048.85,4177.44 4048.85,4207.44
KEY_POS6: 5.16 SW6.2 SW19.2 SW33.2 SW47.2 SW61.2 SW74.2 | length 17761
  Top Layer w10: v1(4048.83,3022.47) 4053.54,3022.47 4058.56,3017.45 4058.56,3012.73 4168.76,2902.54 4168.76,2385.01 4251.32,2302.45 v1(4423.88,2302.45) ; v1(4048.85,3052.45) 3908.31,3052.45 3833.76,3127 3833.76,3634.63 4264.14,4065.01 5085.34,4065.01 5167.78,4147.45 v1(5173.86,4147.45) ; v1(4423.86,2272.47) 4423.86,1597.11 4468.52,1552.45 v1(4611.38,1552.45) ; v1(4611.36,1522.47) 4611.36,1402.41 4753.76,1260.01 4753.76,865.01 4816.32,802.45 v1(4986.38,802.45) 5541.32,802.45 5943.76,400.01 7495.41,400.01 7620.41,275.01 7913.76,275.01 8120.35,68.42 8818.98,68.42 8829.4,58 v1@8829.4,53.42 ; v1(8830.1,52.48) v1@8830.1,78.25
  Bottom Layer w6: v1(5173.86,4147.45) 5308.3,4013.01 12903.62,4013.01 12986.92,4096.31 5.16@13521.26,4096.31
  other v1: 8830.08,22.49 8830.1,82.48 4986.36,772.47 4986.38,832.45 4611.38,1582.45 4423.88,2332.45 4048.85,3082.45 5173.88,4177.44 5173.88,4207.44
KEY_POS7: 5.17 SW7.2 SW20.2 SW34.2 SW48.2 SW62.2 SW75.2 | length 17124
  Top Layer w10: v1(4798.82,3022.47) 4798.82,2884.95 4933.76,2750.01 4933.76,2380.01 5011.32,2302.45 v1(5173.88,2302.45) ; v1(4798.84,3052.45) 4651.32,3052.45 4563.76,3140.01 4563.76,3640.01 4868.76,3945.01 5715.34,3945.01 5917.78,4147.45 v1(5923.86,4147.45) ; 5173.76,2285.01 5173.76,1645.01 5266.32,1552.45 v1(5361.38,1552.45) ; v1(5361.36,1522.47) 5366.08,1522.47 5371.1,1517.45 5371.1,1512.73 5503.76,1380.07 5503.76,940.01 5641.32,802.45 v1(5736.38,802.45) ; v1(5736.36,772.47) 5741.08,772.47 6033.53,480.01 8168.76,480.01 8263.76,385.01 8458.76,385.01 8563.76,280.01 8843.76,280.01 9071.29,52.48 v1(9767.62,52.48)
  Bottom Layer w6: v1(5923.86,4147.45) 6042.3,4029.01 12896.99,4029.01 12983.98,4116 5.17@13521.26,4116
  other v1: 9767.6,22.49 9767.62,82.48 5736.38,832.45 5361.38,1582.45 5173.86,2272.47 5173.88,2332.45 4798.84,3082.45 5923.88,4177.44 5923.88,4207.44
KEY_POS8: 5.18 SW8.2 SW21.2 SW35.2 SW49.2 SW63.2 SW76.2 | length 16676.1
  Top Layer w10: v1(5548.86,3022.47) 5548.86,2924.91 5698.76,2775.01 5698.76,2360.01 5756.32,2302.45 v1(5923.88,2302.45) ; v1(5548.88,3052.45) 5436.32,3052.45 5307.52,3181.25 5307.52,3698.77 5423.76,3815.01 5958.76,3815.01 6083.76,3940.01 6460.34,3940.01 6667.78,4147.45 v1(6673.86,4147.45) ; v1(5923.86,2272.47) 5923.86,1584.91 5958.76,1550.01 6108.94,1550.01 v1(6111.38,1552.45) ; v1(6111.36,1522.47) 6111.36,1407.41 6213.76,1305.01 6213.76,910.01 6318.76,805.01 6483.82,805.01 v1(6486.38,802.45) ; v1@6485.68,803.4 6485.68,773.09 6490.45,773.09 6518.53,745.01 7178.76,745.01 7223.76,700.01 8163.76,700.01 8388.76,475.01 9138.76,475.01 9328.76,285.01 9768.76,285.01 10001.29,52.48 v1(10705.1,52.48)
  Bottom Layer w6: v1(6673.86,4147.45) 6776.3,4045.01 12890.37,4045.01 12981.04,4135.68 5.18@13521.26,4135.68
  other v1: 10705.08,22.49 10705.1,82.48 6486.36,772.47 6486.38,832.45 6111.38,1582.45 5923.88,2332.45 5548.88,3082.45 6673.88,4177.44 6673.88,4207.44
KEY_POS9: 5.19 SW9.2 SW22.2 SW36.2 SW50.2 SW64.2 SW77.2 | length 16643.3
  Top Layer w10: v1(6298.86,3022.47) 6303.58,3022.47 6308.6,3017.45 6308.6,3012.73 6438.76,2882.57 6438.76,2366.88 6503.19,2302.45 v1(6673.88,2302.45) ; v1(6298.88,3052.45) 6166.32,3052.45 6075.07,3143.7 6075.07,3644.93 6190.16,3760.01 6788.76,3760.01 7093.76,4065.01 7335.34,4065.01 7417.78,4147.45 v1(7423.86,4147.45) ; v1(6673.86,2272.47) 6673.86,1599.91 6721.32,1552.45 v1(6861.38,1552.45) ; v1(6861.36,1522.47) 6861.36,1397.41 7023.76,1235.01 7023.76,930.01 7151.32,802.45 v1(7236.38,802.45) ; v1(11413.76,800.01) 12482.29,800.01 v1@12485.68,803.4 ; v1@12486.38,781.13 v1(12486.38,802.45)
  Bottom Layer w6: v1(7423.88,4177.44) 8226.33,4177.44 8342.76,4061.01 12883.74,4061.01 12978.09,4155.37 5.19@13521.26,4155.37
  Bottom Layer w10: v1(7236.38,802.45) 7581.32,802.45 7683.76,700.01 11313.76,700.01 v1(11413.76,800.01)
  other v1: 7236.36,772.47 12486.36,772.47 7236.38,832.45 12486.38,832.45 6861.38,1582.45 6673.88,2332.45 6298.88,3082.45 7423.88,4207.44
KEY_POS10: 5.20 SW10.2 SW23.2 SW37.2 SW51.2 SW65.2 SW78.2 | length 14627.4
  Top Layer w10: v1(7048.86,3022.47) 7053.58,3022.47 7058.6,3017.45 7058.6,3012.73 7178.76,2892.57 7178.76,2415.01 7278.76,2315.01 7412.76,2315.01 7423.88,2303.89 v1(7423.88,2302.45) ; v1(7048.88,3052.45) 6916.32,3052.45 6808.76,3160.01 6808.76,3540.01 7243.76,3975.01 8370.34,3975.01 8542.78,4147.45 v1(8548.86,4147.45) ; v1(7423.86,2272.47) 7423.86,1604.91 7476.32,1552.45 v1(7611.38,1552.45) ; v1(7611.36,1522.47) 7616.08,1522.47 7621.1,1517.45 7621.1,1512.73 7733.76,1400.07 7733.76,890.01 7823.76,800.01 7983.94,800.01 v1(7986.38,802.45) 8235.63,802.45 8363.07,675.01 9158.76,675.01 9358.76,475.01 10048.76,475.01 10098.76,425.01 10437.83,425.01 10492.83,480.01 10873.76,480.01 10918.76,435.01 11243.76,435.01 11448.76,230.01 11626.29,52.48 v1(11736.38,52.48)
  Bottom Layer w6: v1(8548.88,4177.44) 8895.11,4177.44 8995.53,4077.01 12877.11,4077.01 12975.15,4175.05 5.20@13521.26,4175.05
  other v1: 11736.36,22.49 11736.38,82.48 7986.36,772.47 7986.38,832.45 7611.38,1582.45 7423.88,2332.45 7048.88,3082.45 8548.88,4207.44
KEY_POS11: 5.21 SW11.2 SW24.2 SW38.2 SW52.2 SW66.2 SW79.2 | length 13880.4
  Top Layer w10: v1(7798.86,3022.47) 7803.58,3022.47 7808.6,3017.45 7808.6,3012.73 7923.76,2897.57 7923.76,2425.01 8046.32,2302.45 v1(8173.88,2302.45) ; v1(7798.88,3052.45) 7671.32,3052.45 7568.76,3155.01 7568.76,3645.01 7803.76,3880.01 9025.34,3880.01 9292.78,4147.45 v1(9298.86,4147.45) ; v1(8173.86,2272.47) 8173.86,1639.91 8261.32,1552.45 v1(8361.38,1552.45) ; v1(8361.36,1522.47) 8361.36,1377.41 8508.76,1230.01 8508.76,875.01 8581.32,802.45 v1(8736.38,802.45) 9171.32,802.45 9293.76,680.01 11273.76,680.01 11478.76,475.01 12048.76,475.01 12238.76,285.01 12238.76,210.01 12396.29,52.48 v1(12486.38,52.48)
  Bottom Layer w6: v1(9298.88,4177.44) 9746.33,4177.44 9830.76,4093.01 12870.48,4093.01 12972.48,4195.01 13520.98,4195.01 5.21@13521.26,4194.74
  other v1: 12486.36,22.49 12486.38,82.48 8736.36,772.47 8736.38,832.45 8361.38,1582.45 8173.88,2332.45 7798.88,3082.45 9298.88,4207.44